# KiCad board hakea-fillets.kicad_pcb (continued)
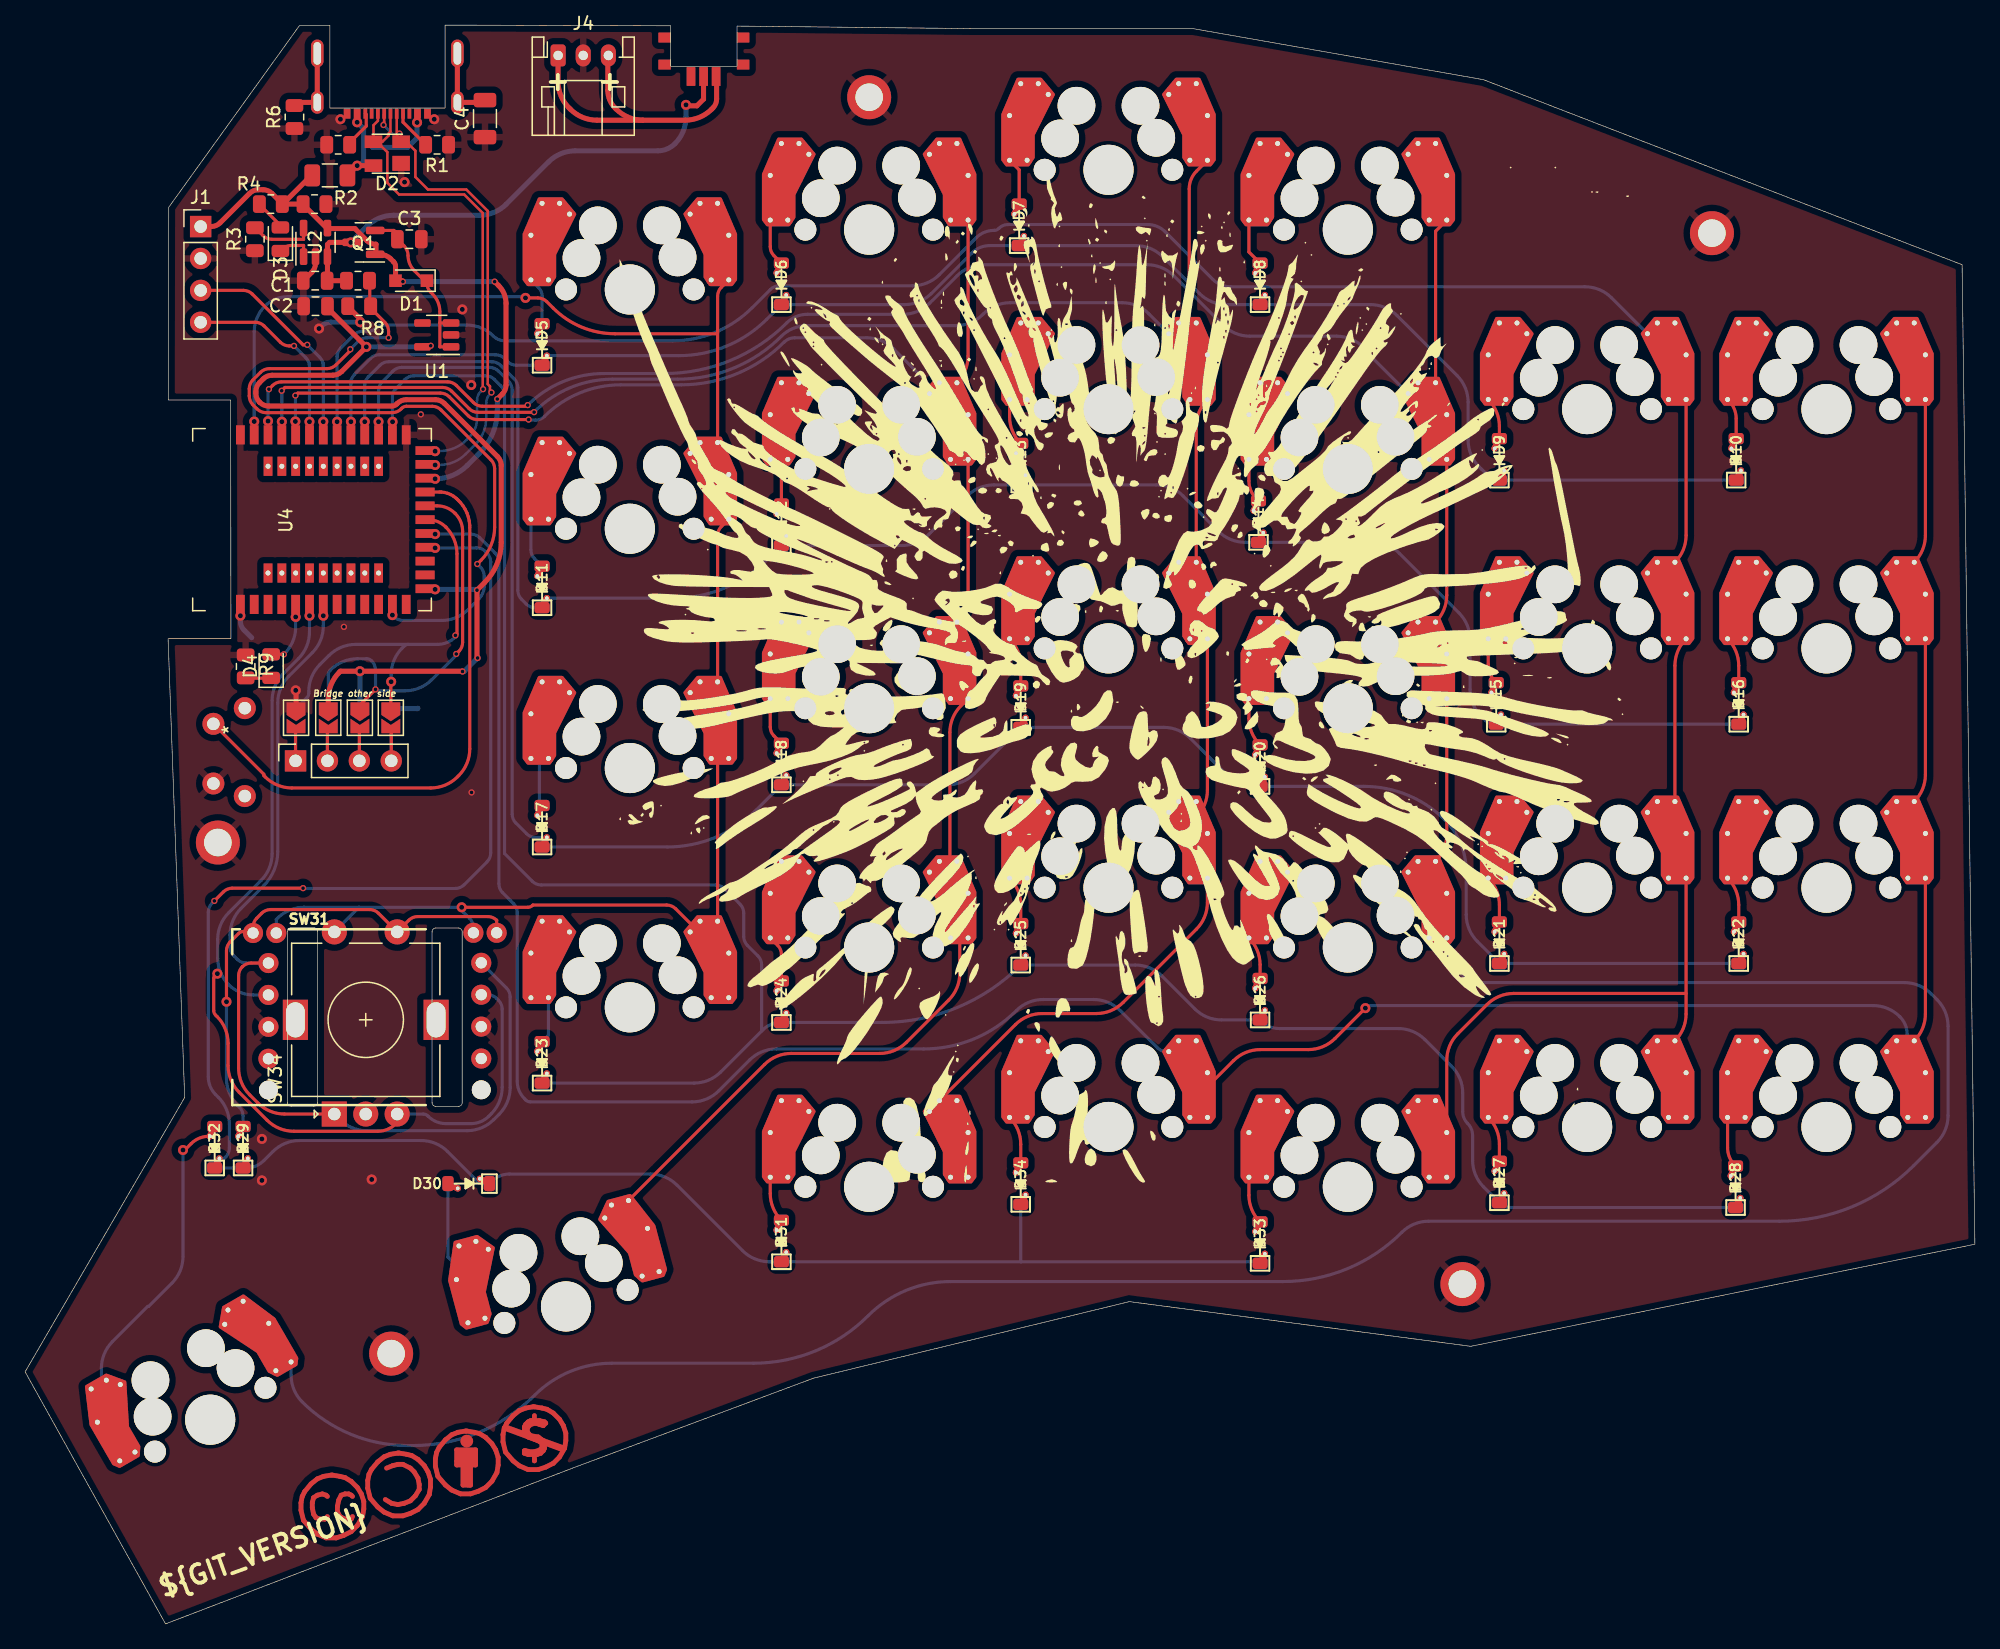
[diagram p0: board, top side]
## Nets
GND: C1.2 C2.2 C3.2 C4.1 D2.1 H2.1 H3.1 H4.1 H5.1 H6.1 J1.2 J2.A1 J4.2 JP4.1 JP5.1 R1.1 R2.2 R3.1 R5.1 R6.1 R8.1 R9.2 SW1.2 SW31.C SW32.C SW34.C U1.2 U2.2 U4.1 U4.25 U4.37
VBAT: C1.1 Q1.3 R7.2 SW33.2 U2.3
VBUS: D1.2 F1.1 J1.1 Q1.1 R2.1 R4.1 U2.4 U4.22
VDD_NRF: C2.1 JP3.1 JP6.1 U1.5 U4.14
/CC1: J2.A5 R1.2
/CC2: J2.B5 R5.2
BVOLT: R7.1 R8.2 U4.12
COL0: SW2.2 SW8.2 SW14.2 SW20.2 SW31.S2 SW32.S2 SW34.S2 U4.36
COL1: SW3.2 SW9.2 SW15.2 SW21.2 SW26.2 U4.33
COL2: SW4.2 SW10.2 SW16.2 SW22.2 SW27.2 U4.34
COL3: SW5.2 SW11.2 SW17.2 SW23.2 SW28.2 U4.35
COL4: SW6.2 SW12.2 SW18.2 SW24.2 SW29.2 U4.30
COL5: SW7.2 SW13.2 SW19.2 SW25.2 SW30.2 U4.18
D+: D2.3 J2.A6 J2.B6 U4.24
D-: D2.2 J2.A7 J2.B7 U4.23
Earth: C4.2 J2.S1 J2.S2 J2.S3 J2.S4 R6.2
LED_1: D4.2 U4.5
RAW: D2.4 F1.2 J2.A4
RESET: SW1.1 U4.21
ROT1A: SW31.A SW32.A SW34.A U4.7
ROT1B: SW31.B SW32.B SW34.B U4.6
ROW0: D5.1 D6.1 D7.1 D8.1 D9.1 D10.1 U4.29
ROW1: D11.1 D12.1 D13.1 D14.1 D15.1 D16.1 U4.28
ROW2: D17.1 D18.1 D19.1 D20.1 D21.1 D22.1 U4.27
ROW3: D23.1 D24.1 D25.1 D26.1 D27.1 D28.1 U4.26
ROW4: D29.1 D30.1 D31.1 D32.1 D33.1 D34.1 U4.17
SCL: JP2.1 JP7.1 U4.20
SDA: JP1.1 JP8.1 U4.19
SWC: J1.3 U4.31
SWD: J1.4 U4.32
Net-(C3-Pad1): C3.1 D1.1 Q1.2 U1.1 U1.3
Net-(D3-Pad1): D3.1 U2.1
Net-(D3-Pad2): D3.2 R4.2
Net-(D4-Pad1): D4.1 R9.1
Net-(D5-Pad2): D5.2 SW2.1
Net-(D6-Pad2): D6.2 SW3.1
Net-(D7-Pad2): D7.2 SW4.1
Net-(D8-Pad2): D8.2 SW5.1
Net-(D9-Pad2): D9.2 SW6.1
Net-(D10-Pad2): D10.2 SW7.1
Net-(D11-Pad2): D11.2 SW8.1
Net-(D12-Pad2): D12.2 SW9.1
Net-(D13-Pad2): D13.2 SW10.1
Net-(D14-Pad2): D14.2 SW11.1
Net-(D15-Pad2): D15.2 SW12.1
Net-(D16-Pad2): D16.2 SW13.1
Net-(D17-Pad2): D17.2 SW14.1
Net-(D18-Pad2): D18.2 SW15.1
Net-(D19-Pad2): D19.2 SW16.1
Net-(D20-Pad2): D20.2 SW17.1
Net-(D21-Pad2): D21.2 SW18.1
Net-(D22-Pad2): D22.2 SW19.1
Net-(D23-Pad2): D23.2 SW20.1
Net-(D24-Pad2): D24.2 SW21.1
Net-(D25-Pad2): D25.2 SW22.1
Net-(D26-Pad2): D26.2 SW23.1
Net-(D27-Pad2): D27.2 SW24.1
Net-(D28-Pad2): D28.2 SW25.1
Net-(D29-Pad2): D29.2 SW31.S1 SW32.S1 SW34.S1
Net-(D30-Pad2): D30.2 SW26.1
Net-(D31-Pad2): D31.2 SW27.1
Net-(D32-Pad2): D32.2 SW28.1
Net-(D33-Pad2): D33.2 SW29.1
Net-(D34-Pad2): D34.2 SW30.1
Net-(J3-Pad1): J3.1 JP1.2 JP5.2
Net-(J3-Pad2): J3.2 JP2.2 JP6.2
Net-(J3-Pad3): J3.3 JP3.2 JP7.2
Net-(J3-Pad4): J3.4 JP4.2 JP8.2
Net-(J4-Pad1): J4.1 J4.3 SW33.1
Net-(R3-Pad2): R3.2 U2.5

Pads without a net: J2 A8 B8; SW1 3; SW31 D; SW32 D; SW33 3 4; SW34 MP; U1 4; U4 2 3 4 8 9 10 11 13 15 16 38 39 40 41 42 43 44 45 46 47 48 49 50 51 52 53 54 55

## Via types
v1: diameter 0.8, hole 0.4, Top to Bottom, 47 vias
v2: diameter 0.5, hole 0.3, Top to Bottom, 31 vias

## Routing (per net, layer and track width the routed paths; a pad name or vN(x,y) marks a point on that pad's centre or on a via; arc(x,y) is an arc through that point)
GND: length 13.2
  Top w0.4: 22.15,106.93 22.82,107.61 arc(23.04,107.93) 23.11,108.31 23.11,108.88 ; 21.56,72.86 21.56,74.3 v1(21.54,74.32) ; 25.65,104.9 26.67,103.89 v1(26.67,103.63)
  Bottom w0.4: 29.11,72.86 31.23,72.86 31.27,72.9 ; v1(17.13,80.26) 17.13,79.83 arc(17.21,79.44) 17.43,79.12 18.03,78.51 ; v1(26.67,103.63) 24.32,103.63 arc(23.93,103.56) 23.61,103.34 v1(23.39,103.12)
  vias: v1(18.85,38.61) v1(18.85,35.31) v1(25.1,119.79) v1(27.58,35.38) v1(30.2,114.78) v1(32.56,119.79) v1(34.8,104.65) v1(35.51,98.63) v2(25.37,79.38) v2(31.5,96.29) v2(35.53,66.19)
VBAT: length 41.7
  Top w0.4: SW33.2 54,121.39 53.47,120.85 52.68,120.85 v1(52.6,120.93) ; v1(25.92,109.98) 24.23,109.98 24.06,109.81 24.06,106.93 25.56,106.93
  Bottom w0.4: v1(52.6,120.93) 52.6,119.96 arc(52.38,118.81) 51.72,117.84 arc(51.09,117.42) 50.35,117.27 43.79,117.27 arc(42.64,117.04) 41.67,116.39 38.29,113.02 arc(37.32,112.37) 36.17,112.14 29.33,112.14 arc(28.18,111.91) 27.2,111.26 v1(25.92,109.98)
VBUS: length 50.2
  Top w0.4: Q1.1 28.23,109.03 arc(28.7,108.94) 29.1,108.67 29.34,108.43 arc(29.45,108.27) 29.48,108.08 D1.2 ; v2(37.37,106.86) 37.69,106.54 arc(38.13,105.89) 38.28,105.12 38.28,98.62 arc(38.2,98.24) 37.98,97.91 v2(37.58,97.51) ; 20.5,113.03 19.64,113.88 arc(19.32,114.1) 18.94,114.17 18.57,114.17 arc(18.18,114.1) 17.86,113.88 15.51,111.53 arc(15.19,111.32) 14.81,111.24 J1.1 ; 20.5,113.03 22.78,115.32 ; 20.5,113.03 22.1,113.03 24.05,111.08 ; 30,106.93 v2(30.07,106.86) ; 24.06,111.08 26.25,111.08 27.2,110.13 arc(27.53,109.91) 27.91,109.83 27.92,109.83 27.92,109.03
  Bottom w0.4: v2(37.37,106.86) v2(30.07,106.86) ; v2(37.58,97.51) 37.58,96.61 arc(37.22,94.77) 36.17,93.2 35.18,92.22 arc(34.01,91.43) v1(32.63,91.16)
VDD_NRF: length 80.1
  Top w0.4: 24.13,72.86 24.13,73.64 arc(24.36,74.78) 25.01,75.76 25.1,75.84 v1(26.64,75.84) 34.79,75.84 v2(34.82,75.82) ; 35.97,76.9 v2(35.97,82.3) 36.57,82.9 arc(37.55,84.37) 37.9,86.1 37.9,92.22 arc(37.82,92.6) 37.6,92.93 33.36,97.17 arc(33.04,97.38) 32.66,97.46 30.33,97.46 arc(29.95,97.38) 29.63,97.17 29.56,97.1 arc(29.4,96.99) 29.21,96.95 19.39,96.95 arc(19.01,97.03) 18.68,97.24 18.66,97.27 arc(18.44,97.59) 18.36,97.98 18.36,98.11 arc(18.44,98.5) 18.66,98.82 18.95,99.11 arc(19.28,99.33) 19.66,99.41 24.49,99.41 arc(24.87,99.48) 25.19,99.7 v1(27.16,101.67) 24.05,104.77 ; v2(32.28,101.75) 31.75,101.75
  Bottom w0.4: v2(36.02,76.9) 34.94,75.82 v2(34.82,75.82) ; v1(27.16,101.67) 32.02,101.67 32.11,101.75 v2(32.28,101.75) ; v1(32.63,82.36) 35.9,82.36 v2(35.97,82.3) ; 26.64,72.86 26.64,75.74 26.67,75.77 26.67,75.82 v1(26.64,75.84)
/CC1: length 3.2
  Top w0.25: R1.2 30.08,119.55 J2.A5
/CC2: length 2.9
  Top w0.25: J2.B5 27.15,120.15 27.15,119.24 25.83,117.92
BVOLT: length 59.5
  Top w0.25: v2(25.88,101.47) 25.88,101.37 24.74,100.22 arc(24.41,100.01) 24.03,99.93 19.44,99.93 arc(19.06,99.86) 18.73,99.64 18.13,99.04 arc(17.92,98.71) 17.84,98.33 17.84,97.76 arc(17.92,97.38) 18.13,97.05 18.46,96.72 arc(18.79,96.5) 19.17,96.43 29.22,96.43 arc(29.6,96.5) 29.92,96.72 29.99,96.79 arc(30.15,96.9) 30.34,96.93 32.4,96.93 arc(32.79,96.86) 33.11,96.64 37.08,92.67 arc(37.3,92.35) 37.37,91.97 37.37,87.31 arc(37.09,85.88) 36.27,84.66 v2(35.99,84.38) ; 27.43,106.93 27.43,105 ; v2(28.93,102.39) 28.93,102.9 arc(28.85,103.29) 28.64,103.61 27.53,104.72
  Bottom w0.25: v2(25.88,101.47) 26.51,102.1 arc(26.83,102.31) 27.21,102.39 28.93,102.39 v2(28.93,102.39) ; v1(29.23,80.31) 29.37,80.18 arc(29.69,79.96) 30.08,79.88 33.15,79.88 arc(34.3,80.11) 35.27,80.76 36.13,81.61 arc(36.43,82.08) 36.54,82.62 36.54,83.42 arc(36.46,83.8) 36.25,84.12 v2(35.99,84.38)
COL0: length 132.8
  Top w0.25: SW14.2 55.12,86.64 arc(55.19,87.03) 55.41,87.35 SW8.2 ; 55.12,102.79 SW8.2 ; 55.12,102.79 55.12,105.69 arc(55.19,106.08) 55.41,106.4 SW2.2 ; 55.12,102.79 55.03,102.71 46.95,102.71 arc(44.3,103.24) 42.04,104.74 41.52,105.27 arc(41.19,105.49) 40.81,105.56 v1(39.83,105.56) ; v1(34.75,57.05) 40.03,57.05 arc(40.22,57.09) 40.38,57.19 40.41,57.23 51.07,57.23 arc(51.45,57.15) 51.78,56.93 SW20.2 ; SW20.2 55.12,72.64 ; U4.36 v1(18.23,95.72)
  Bottom w0.25: 26.57,57.05 22.2,57.05 arc(21.05,56.82) 20.08,56.17 19.99,56.08 SW31.S2 ; 26.57,57.05 v1(34.75,57.05) 34.75,57 arc(34.79,56.81) 34.89,56.65 35.39,56.15 arc(35.61,55.83) 35.68,55.45 ; 26.57,57.05 SW34.S2 ; v1(39.83,105.56) 39.73,105.66 20.91,105.66 arc(19.92,105.46) 19.08,104.9 arc(18.45,103.97) 18.23,102.87 v1(18.23,95.72)
COL1: length 138.7
  Top w0.25: SW3.2 75.06,100.94 arc(74.83,99.79) 74.18,98.82 ; v2(40.08,95.88) 35.99,95.88 arc(35.6,95.96) 35.28,96.17 33.76,97.69 arc(33.44,97.91) 33.05,97.98 21.71,97.98 v2(21.51,97.79) ; SW15.2 74.49,73.09 arc(73.84,72.12) 73.61,70.97 SW21.2 ; U4.33 21.53,95.7 v1(21.51,95.73) ; SW26.2 58.86,44.54 arc(59.83,45.19) 60.98,45.42 68.02,45.42 arc(69.17,45.64) 70.14,46.29 73.52,49.67 arc(74.17,50.64) 74.39,51.79 SW21.2 ; SW9.2 75.06,81.89 arc(74.83,80.74) 74.18,79.77
  Bottom w0.25: v2(40.08,95.88) 40.12,95.83 40.63,95.83 arc(41.01,95.91) 41.34,96.13 arc(44.13,97.99) 47.41,98.64 52.21,98.64 arc(56.65,99.53) 60.41,102.04 arc(60.8,102.3) 61.25,102.39 67.01,102.39 arc(68.16,102.16) 69.13,101.51 71.69,98.95 arc(71.91,98.62) 71.98,98.24 ; v2(21.51,97.79) 21.51,95.48
COL2: length 151.2
  Top w0.25: SW4.2 93.24,115.66 arc(92.81,115.01) 92.66,114.24 SW10.2 ; SW22.2 94.11,57.43 arc(93.88,56.28) 93.23,55.31 87.39,49.47 arc(86.42,48.82) 85.27,48.59 80.95,48.59 arc(79.8,48.36) 78.83,47.71 SW27.2 ; v2(20.42,98.17) 20.68,98.43 33.24,98.43 arc(33.62,98.36) 33.95,98.14 35.34,96.75 arc(35.67,96.53) 36.05,96.45 40.5,96.45 v2(40.51,96.47) ; U4.34 v1(20.43,95.71) ; SW16.2 94.11,66.37 arc(93.88,65.22) 93.23,64.25 ; SW16.2 93.22,95.34 arc(93.45,96.49) 94.1,97.46
  Bottom w0.25: v2(20.42,98.17) 20.43,98.16 v1(20.43,95.71) ; v2(40.51,96.47) 40.58,96.53 arc(43.41,98.43) 46.76,99.09 51.94,99.09 arc(56.41,99.98) 60.2,102.52 arc(61.13,103.14) 62.22,103.35 74.09,103.35 arc(75.24,103.58) 76.22,104.23 76.29,104.3 arc(77.26,104.95) 78.41,105.18 87.32,105.18 arc(88.47,104.95) 89.44,104.3 91.03,102.71
COL3: length 337
  Top w0.25: SW11.2 112.27,110.87 SW5.2 ; v2(19.41,98.3) 19.7,98.59 arc(20.02,98.81) 20.4,98.88 33.62,98.88 arc(34,98.81) 34.33,98.59 35.69,97.23 arc(36.01,97.01) 36.4,96.94 39.91,96.94 v2(40.01,97.03) ; U4.35 v1(19.33,95.76) ; SW11.2 113.16,81.89 arc(112.93,80.74) 112.28,79.77 ; SW17.2 113.16,62.84 arc(112.93,61.69) 112.28,60.72
  Bottom w0.25: SW23.2 113.16,54.07 arc(113.39,52.93) 114.04,51.95 114.06,51.93 arc(115.03,51.28) 116.18,51.05 149.58,51.05 arc(150.73,50.83) 151.7,50.18 152.18,49.7 arc(152.83,48.72) 153.06,47.58 153.06,40.46 arc(152.83,39.31) 152.18,38.34 150.33,36.49 arc(145.42,33.21) 139.63,32.05 111.71,32.05 arc(110.56,31.83) 109.59,31.18 arc(105.24,28.27) 100.12,27.25 73.67,27.25 arc(70.12,26.55) 67.11,24.54 arc(62.91,21.74) 57.97,20.75 46.69,20.75 arc(43.38,20.09) 40.57,18.21 arc(36.12,15.24) 30.87,14.2 30.45,14.2 arc(25.9,15.1) 22.05,17.68 arc(21.4,18.65) 21.17,19.8 SW28.2 ; v2(19.41,98.3) 19.33,98.23 v1(19.33,95.76) ; SW11.2 107.26,100.77 107.26,100.89 106.52,101.64 arc(105.54,102.29) 104.4,102.51 97.48,102.51 arc(96.33,102.74) 95.36,103.39 91.43,107.33 arc(90.46,107.98) 89.31,108.2 76.3,108.2 arc(75.15,107.98) 74.18,107.33 71.99,105.13 arc(71.01,104.48) 69.87,104.26 62.26,104.26 arc(61.38,104.08) 60.63,103.58 arc(56.16,100.59) 50.88,99.54 46.08,99.54 arc(42.79,98.89) v2(40.01,97.03)
COL4: length 185.7
  Top w0.25: v1(24.83,95.71) 24.83,95.7 U4.30 ; SW29.2 113.16,44.86 arc(113.39,46.01) 114.04,46.98 116.37,49.31 arc(117.34,49.96) 118.49,50.19 132.21,50.19 ; 132.21,50.19 132.21,48.55 arc(131.98,47.4) 131.33,46.43 ; 132.21,50.19 SW18.2 ; SW18.2 131.32,76.29 arc(131.55,77.44) 132.2,78.41 ; SW6.2 132.21,86.65 arc(131.98,85.5) 131.33,84.53
  Bottom w0.25: 129.13,102.71 126.27,105.57 arc(125.3,106.22) 124.15,106.45 95.95,106.45 arc(95.19,106.6) 94.54,107.04 90.76,110.82 arc(90.11,111.25) 89.34,111.4 78.23,111.4 arc(77.85,111.33) 77.52,111.11 77.5,111.08 arc(77.33,110.98) 77.14,110.94 77.12,110.94 arc(76.36,110.79) 75.71,110.35 72.76,107.41 arc(71.79,106.76) 70.64,106.53 60.03,106.53 arc(59.65,106.45) 59.32,106.23 57.85,104.77 arc(54.95,102.83) 51.53,102.15 38.18,102.15 arc(37.69,102.25) 37.27,102.52 arc(36.3,103.18) 35.15,103.4 28.48,103.4 arc(28.22,103.35) 27.99,103.2 arc(27.67,102.98) 27.28,102.91 26.87,102.91 arc(26.49,102.83) 26.16,102.61 25.13,101.58 arc(24.91,101.26) 24.83,100.87 ; v1(24.83,95.71) 24.83,101.12
COL5: length 207.2
  Top w0.25: SW30.2 96.19,44.84 arc(97.16,45.49) 98.31,45.72 102.14,45.72 arc(103.28,45.95) 104.26,46.6 v1(106.68,49.02) ; SW7.2 151.26,86.65 arc(151.03,85.5) 150.38,84.53 ; SW19.2 151.26,48.55 arc(151.03,47.4) 150.38,46.43 ; SW13.2 151.26,67.6 arc(151.03,66.45) 150.38,65.48
  Bottom w0.25: v1(106.68,49.02) 106.58,49.12 106.58,49.23 147.09,49.23 arc(148.24,49) 149.21,48.35 149.22,48.34 arc(149.66,47.69) 149.81,46.93 SW25.2 ; v1(32.63,86.76) 35.48,86.76 arc(35.87,86.68) 36.19,86.47 37.42,85.24 arc(37.63,84.92) 37.71,84.53 37.71,58.92 arc(37.79,58.54) 38,58.21 38.87,57.34 arc(39.09,57.02) 39.17,56.63 39.17,43.22 arc(39.32,42.46) 39.75,41.81 39.86,41.7 arc(40.02,41.59) 40.21,41.55 53.09,41.55 arc(54.24,41.78) 55.21,42.43 57.67,44.89 arc(58.64,45.54) 59.79,45.77 71.52,45.77 arc(75.52,46.57) 78.9,48.83 arc(79.88,49.48) 81.02,49.71 85.04,49.71 arc(86.19,49.48) 87.16,48.83 90.14,45.85 arc(90.46,45.64) 90.85,45.56
D+: length 39
  Top w0.2: J2.B6 28.08,119.66 27.73,119.31 D2.3 28.43,117.99 28.93,118.49 28.93,118.64 29.08,118.79 J2.A6 ; 28.01,117.99 28.83,117.17 28.83,114.73 29.77,113.79 34.95,113.79 36.42,112.32 36.42,98.32 v2(36.45,98.3)
  Bottom w0.2: v1(32.63,93.36) 32.65,93.37 33,93.37 arc(34.14,93.6) 35.12,94.25 35.38,94.51 arc(35.81,95.16) 35.97,95.93 35.97,97.4 arc(36.04,97.78) 36.26,98.11 v2(36.45,98.3)
D-: length 38
  Top w0.2: v2(37.12,98.03) 37,98.15 37,98.53 36.82,98.7 36.82,112.48 35.12,114.19 32.06,114.19 31.06,115.19 31.06,117.27 30.34,117.99 ; v2(28.52,119.33) 28.52,119.51 28.58,119.56 J2.A7 ; v2(29.79,118.64) 29.79,118.13 ; J2.B7 29.58,118.34
  Bottom w0.2: v2(37.12,98.03) 37,97.91 arc(36.78,97.59) 36.7,97.2 36.7,96.01 arc(36.47,94.86) 35.82,93.89 35.07,93.14 arc(34.1,92.49) 32.95,92.26 v1(32.63,92.26) ; v2(28.52,119.33) 29.41,118.44 29.85,118.44 29.85,118.59 v2(29.79,118.64)
Earth: length 11.5
  Top w0.4: 36.49,121.13 J2.S4 J2.S2 ; 21.67,121.13 J2.S3 J2.S1
LED_1: length 5.2
  Top w0.25: v2(20.6,77.19) 19.59,77.19 ; U4.5 v1(21.53,80.16)
  Bottom w0.25: v2(20.6,77.19) 20.66,77.25 arc(21.27,78.14) 21.53,79.2 21.53,80.16 v1(21.53,80.16)
RAW: length 13.9
  Top w0.4: D2.4 v1(26.43,116.09) F1.2 ; v1(31.2,119.53) 31.23,119.56 J2.A4 ; J2.A4 v1(26.43,119.54)
  Bottom w0.4: v1(31.2,119.53) 31.2,118.29 30.45,117.55 27.66,117.55 26.95,118.26 ; v1(26.43,116.09) 26.47,116.05 26.54,116.05 26.95,116.46 26.95,119.02 v1(26.43,119.54)
RESET: length 47.1
  Top w0.25: SW1.1 19,67.64 19,67.54 19.11,67.43 arc(20.08,66.78) 21.23,66.55 32.29,66.55 arc(33.43,66.78) 34.41,67.43 34.51,67.53 arc(35.16,68.51) 35.39,69.65 35.39,87.29 35.39,87.46 35.35,87.8 35.28,88.12 35.17,88.44 35.02,88.74 34.84,89.03 34.63,89.29 34.51,89.41 34.4,89.52 34.31,89.61 34.1,89.77 33.87,89.91 33.63,90.01 33.38,90.07 33.12,90.11 32.99,90.11 U4.21
ROT1A: length 80
  Top w0.25: SW34.A 20.65,40.59 arc(19.5,40.82) 18.53,41.47 17.87,42.12 arc(17.22,43.1) 16.99,44.24 16.99,51.6 arc(17.07,51.99) 17.29,52.31 17.29,52.32 arc(17.62,52.53) 18,52.61 SW31.A ; U4.7 v1(23.73,80.26)
  Bottom w0.25: v1(23.73,80.26) 23.73,79.43 arc(23.51,78.29) 22.86,77.31 20.99,75.44 arc(20.34,74.47) 20.11,73.32 20.11,61.48 arc(19.82,60.01) 18.98,58.75 17.19,56.97 arc(16.54,55.99) 16.31,54.83 16.31,53.91 arc(16.38,53.52) 16.6,53.2 16.9,52.9 arc(17.22,52.69) 17.6,52.61 SW31.A ; SW32.A 38.32,50.62 arc(38.53,50.3) 38.61,49.91 38.61,42.7 arc(38.38,41.55) 37.73,40.57 37.3,40.14 arc(36.33,39.49) 35.18,39.26 27.18,39.26 arc(26.03,39.49) 25.06,40.14
ROT1B: length 78.7
  Top w0.25: U4.6 v1(22.63,80.26) ; v1(15.3,51.77) 15.25,51.82 15.24,51.82 15.16,51.73 arc(15.05,51.57) 15.01,51.38 15.01,48.82 arc(15.05,48.63) 15.16,48.47 15.28,48.35 arc(15.93,47.38) 16.15,46.23 16.15,44.45 arc(16.38,43.3) 17.03,42.33 19.26,40.1 arc(20.24,39.45) 21.38,39.22 28.08,39.22 arc(28.84,39.37) 29.49,39.8
  Bottom w0.25: v1(22.63,80.26) 22.63,78.97 arc(22.41,77.82) 21.76,76.85 20.54,75.63 arc(19.89,74.66) 19.66,73.51 19.66,61.31 arc(19.43,60.16) 18.78,59.19 16.2,56.62 arc(15.55,55.64) 15.33,54.49 15.33,53.01 arc(15.55,51.86) 16.2,50.89 arc(17.11,50.28) 18.17,50.07 SW31.B ; SW34.B 31.7,40.59 arc(31.89,40.55) 32.05,40.44 32.08,40.41 arc(32.73,39.98) 33.49,39.83 35.49,39.83 arc(36.26,39.98) 36.91,40.41 37.09,40.6 arc(37.74,41.57) 37.97,42.72 37.97,48.94 arc(37.9,49.32) 37.68,49.65 37.53,49.8 arc(37.2,50.01) 36.82,50.09
ROW0: length 128.8
  Top w0.25: v1(25.93,95.71) 25.93,95.7 U4.29
  Bottom w0.25: D5.1 39.11,100.2 arc(38.73,100.28) 38.4,100.5 38.15,100.74 arc(37.83,100.96) 37.45,101.04 28.2,101.04 arc(27.82,100.96) 27.49,100.74 26.23,99.48 arc(26.01,99.16) 25.93,98.77 ; D5.1 52.03,100.97 arc(55.82,101.72) 59.04,103.87 D6.1 70.01,105.03 arc(71.15,105.26) 72.13,105.91 75.36,109.14 arc(76.01,109.58) 76.77,109.73 D7.1 ; D10.1 118.03,91.06 arc(116.88,91.29) 115.91,91.94 115.74,92.11 arc(115.09,93.08) 114.86,94.23 114.86,97.26 arc(114.63,98.41) 113.98,99.38 109.21,104.15 arc(108.24,104.8) 107.09,105.03 D8.1 95.6,105.03 arc(94.45,105.26) 93.48,105.91 90.54,108.85 arc(89.57,109.5) 88.42,109.73 D7.1 ; v1(25.93,95.71) 25.93,99.02
ROW1: length 145.8
  Top w0.25: v1(27.03,95.71) 27.03,95.7 U4.28
  Bottom w0.25: D11.1 40.6,80.9 arc(40.21,80.98) 39.89,81.19 39.51,81.57 arc(39.29,81.9) 39.22,82.28 39.22,98.42 arc(39.14,98.8) 38.92,99.12 37.86,100.19 arc(37.54,100.41) 37.15,100.48 28.94,100.48 arc(28.56,100.41) 28.23,100.19 27.33,99.29 arc(27.11,98.96) 27.03,98.58 ; D16.1 117.1,71.63 ; D11.1 51.63,81.66 arc(55.67,82.46) 59.1,84.75 D12.1 69.8,85.85 arc(70.95,86.08) 71.92,86.73 74.99,89.8 arc(75.96,90.45) 77.11,90.68 D13.1 90.04,90.68 arc(91.19,90.45) 92.17,89.8 94.98,86.98 arc(95.95,86.33) 97.1,86.11 D14.1 107.27,86.11 arc(108.41,85.88) 109.39,85.23 114.13,80.48 arc(114.78,79.51) 115.01,78.36 115.01,74.39 arc(115.24,73.25) 115.89,72.27 116.24,71.92 arc(116.57,71.7) 116.95,71.63 ; v1(27.03,95.71) 27.03,98.83
ROW2: length 163.2
  Top w0.25: v1(28.13,95.71) 28.13,95.7 U4.27
  Bottom w0.25: 28.13,98.43 v1(28.13,95.71) ; D17.1 51.1,61.85 arc(54.93,62.61) 58.18,64.78 D18.1 73.43,66.8 arc(74.58,67.03) 75.55,67.68 D19.1 90.63,71.37 arc(91.78,71.15) 92.75,70.5 95.69,67.55 arc(96.66,66.9) 97.81,66.68 D20.1 106.55,66.68 arc(110.05,65.98) 113.01,64 arc(114.27,62.12) 114.71,59.91 114.71,56.46 arc(114.93,55.31) 115.59,54.34 D21.1 D22.1 ; D17.1 40.62,62.61 arc(40.24,62.69) 39.92,62.9 39.06,63.76 arc(38.84,64.08) 38.77,64.47 38.77,98.23 arc(38.69,98.61) 38.48,98.94 37.67,99.74 arc(37.35,99.96) 36.97,100.03 29.99,100.03 arc(29.6,99.96) 29.28,99.74 28.43,98.89 arc(28.21,98.56) 28.13,98.18
ROW3: length 190
  Top w0.25: U4.26 29.23,95.69 v1(29.25,95.7)
  Bottom w0.25: D26.1 95.22,48.08 arc(94.07,48.31) 93.1,48.96 90.49,51.57 arc(89.52,52.22) 88.37,52.45 D25.1 arc(74.18,49.07) 68.21,47.88 D24.1 ; D23.1 53.24,43.05 arc(54.39,43.28) 55.36,43.93 58.72,47.29 arc(59.37,47.73) 60.14,47.88 ; D28.1 118.14,33.15 arc(117.76,33.22) 117.44,33.44 ; v1(29.25,95.7) 29.24,95.71 29.24,97.75 arc(29.33,98.08) 29.53,98.36 30.24,99.07 arc(30.56,99.29) 30.95,99.36 36.64,99.36 arc(37.03,99.29) 37.35,99.07 37.87,98.56 arc(38.08,98.23) 38.16,97.85 38.16,61.33 40.37,59.12 arc(40.7,58.9) 41.08,58.83 54.96,58.83 arc(55.34,58.75) 55.66,58.53 56.91,57.29 arc(57.12,56.97) 57.2,56.58 57.2,54.72 arc(57.28,54.34) 57.49,54.01 58.33,53.18 arc(58.55,52.85) 58.62,52.47 58.62,47.19 ; D27.1 116.09,34.78 arc(115.44,35.76) 115.21,36.9 115.21,38.88 arc(115.11,39.4) 114.82,39.84 arc(114.53,40.28) 114.43,40.78 114.43,42.27 arc(114.2,43.42) 113.55,44.39 111.42,46.52 arc(110.45,47.17) 109.3,47.4 99.81,47.4 arc(99.05,47.55) 98.4,47.98
ROW4: length 165.6
  Top w0.25: v2(15.06,57.56) 15.79,58.28 arc(16.11,58.5) 16.49,58.57 v2(22.12,58.57)
  Bottom w0.25: 79.27,28.83 98.17,28.83 ; 79.27,28.83 D31.1 59.23,28.83 arc(58.08,29.06) 57.11,29.71 51.88,34.94 arc(50.91,35.59) 49.76,35.81 38.55,35.81 arc(37.78,35.66) 37.13,35.23 ; 79.27,28.83 79.25,28.85 D34.1 ; v2(15.06,57.56) 14.87,57.37 arc(14.65,57.04) 14.58,56.66 14.58,43.55 arc(14.73,42.79) 15.16,42.14 15.38,41.93 arc(16.03,40.95) 16.26,39.8 16.26,37.88 arc(16.18,37.5) 15.96,37.17 15.85,37.06 D32.1 ; D30.1 36.39,35.05 arc(36.2,35.09) 36.03,35.2 33.63,37.6 arc(32.66,38.25) 31.51,38.48 21.84,38.48 arc(20.69,38.25) 19.72,37.6 19,36.88 arc(18.35,36.45) 17.59,36.3 ; D32.1 D29.1 ; v2(22.12,58.57) 22.15,58.55 34.23,58.55 arc(34.61,58.62) 34.94,58.84 36.77,60.67 arc(36.98,60.99) 37.06,61.37 37.06,84.55 arc(36.98,84.93) 36.77,85.26 36.65,85.37 arc(36.33,85.58) 35.95,85.66 v1(32.63,85.66)
SCL: length 32.7
  Top w0.25: v2(34.32,77.22) 34.53,77.43 arc(34.75,77.76) 34.82,78.14 34.82,86.98 arc(34.67,87.74) 34.24,88.39 34.21,88.42 arc(33.56,88.86) 32.79,89.01 U4.20 ; v2(27.89,74.4) 26.79,73.3 arc(26.68,73.14) 26.64,72.94
  Bottom w0.25: 24.13,72.86 24.13,75.56 arc(24.17,75.75) 24.28,75.91 24.32,75.96 arc(25.29,76.61) 26.44,76.84 27.2,76.84 arc(27.39,76.8) 27.55,76.69 27.6,76.65 arc(27.81,76.32) 27.89,75.94 v2(27.89,74.4) 28,74.28 30.24,74.28 arc(31.39,74.51) 32.36,75.16 34.32,77.11 v2(34.32,77.22)
SDA: length 32
  Top w0.25: 29.11,72.86 29.11,74.98 v1(29.13,75.01) ; v2(34.25,78.7) 34.37,78.82 34.37,85.19 arc(34.15,86.33) 33.5,87.31 33.48,87.32 arc(32.83,87.76) 32.06,87.91
  Bottom w0.25: v2(34.25,78.7) 34.31,78.7 34.34,78.66 34.24,78.56 arc(33.59,78.13) 32.83,77.98 26.31,77.98 arc(25.16,77.75) 24.19,77.1 23.46,76.37 arc(22.81,75.39) 22.58,74.25 22.58,74.1 arc(22.54,73.9) 22.43,73.74 21.56,72.87 ; v1(29.13,75.01) 29.13,75.57 arc(29.36,76.72) 30.01,77.69 30.16,77.83 arc(30.32,77.94) 30.51,77.98
SWC: length 18.1
  Top w0.25: U4.31 23.73,95.7 v1(23.73,95.71) ; J1.3 17.38,106.16 arc(17.76,106.09) 18.08,105.87 22.12,101.83 v2(22.45,101.83)
  Bottom w0.25: v2(22.45,101.83) 23.44,100.84 arc(23.66,100.52) 23.73,100.13 ; 23.73,100.38 v1(23.73,95.71)
SWD: length 15.9
  Top w0.25: v2(21.4,101.74) 21.03,101.74 arc(20.64,101.82) 20.32,102.03 19.02,103.33 arc(18.7,103.55) 18.32,103.62 J1.4 ; U4.32 22.63,95.7 v1(22.63,95.71)
  Bottom w0.25: 22.63,100.34 v1(22.63,95.71) ; v2(21.4,101.74) 22.34,100.8 arc(22.56,100.47) 22.63,100.09
Net-(C3-Pad1): length 13.2
  Top w0.25: 27.92,110.93 29.35,110.93 29.54,110.74 ; C3.1 30.16,109.71 arc(30.4,109.35) 30.48,108.93 arc(30.61,108.28) 30.98,107.73 31.78,106.93 D1.1 31.98,106.73 arc(32.06,106.35) 32.28,106.03 32.42,105.88 arc(32.86,105.23) 33.01,104.46 33.01,103.57 ; 33.01,103.57 33.01,101.67 33.87,101.67 ; 33.01,103.57 33.87,103.57
Net-(D3-Pad1): length 2.6
  Top w0.25: 22.16,108.88 22.16,109.74 21.17,109.74 arc(20.79,109.66) 20.47,109.44
Net-(D3-Pad2): length 2.4
  Top w0.25: 18.62,113.03 20.32,111.33
Net-(D4-Pad1): length 2
  Top w0.25: 17.55,75.29 19.56,75.29
Net-(D5-Pad2): length 3.8
  Bottom w0.25: SW2.1 40.86,106.4 arc(41.07,106.08) 41.15,105.69 D5.2
Net-(D6-Pad2): length 3.8
  Top w0.25: SW3.1 59.31,109.63 arc(59.39,109.25) 59.6,108.93 D6.2
Net-(D7-Pad2): length 3.8
  Top w0.25: D7.2 79.12,115.76 SW4.1
Net-(D8-Pad2): length 3.8
  Top w0.25: D8.2 97.41,109.22 SW5.1
Net-(D9-Pad2): length 3.3
  Top w0.25: D9.2 117.35,95.34 arc(117.12,96.49) 116.47,97.46
Net-(D10-Pad2): length 3.2
  Top w0.25: D10.2 136.19,95.96 arc(136.04,96.72) 135.61,97.37
Net-(D11-Pad2): length 4.1
  Bottom w0.25: SW8.1 40.26,85.5 arc(40.34,85.12) 40.55,84.8 D11.2
Net-(D12-Pad2): length 3.9
  Top w0.25: SW9.1 59.91,92.11 arc(60.12,91.79) 60.2,91.41 D12.2
Net-(D13-Pad2): length 3.7
  Top w0.25: SW10.1 78.36,96.11 arc(78.59,94.96) 79.24,93.99
Net-(D14-Pad2): length 3.3
  Top w0.25: SW11.1 97.41,91 arc(97.56,90.23) 97.99,89.58
Net-(D15-Pad2): length 3.6
  Top w0.25: SW12.1 116.46,76.39 arc(116.61,75.63) 117.04,74.98
Net-(D16-Pad2): length 3.7
  Top w0.25: D16.2 136.4,76.29 arc(136.17,77.44) 135.52,78.41
Net-(D17-Pad2): length 5.3
  Bottom w0.25: SW14.1 40.93,65.37
Net-(D18-Pad2): length 3.9
  Top w0.25: D18.2 59.6,70.7 arc(59.39,71.02) 59.31,71.41 SW15.1
Net-(D19-Pad2): length 4
  Top w0.25: D19.2 79.25,76.29 arc(79.02,77.44) 78.37,78.41
Net-(D20-Pad2): length 3.9
  Top w0.25: SW17.1 97.41,72.11 arc(97.64,70.96) 98.29,69.99
Net-(D21-Pad2): length 3.7
  Top w0.25: D21.2 117.35,57.24 arc(117.12,58.39) 116.47,59.36
Net-(D22-Pad2): length 3.7
  Top w0.25: D22.2 136.4,57.24 arc(136.17,58.39) 135.52,59.36
Net-(D23-Pad2): length 3.7
  Bottom w0.25: SW20.1 41.66,46.86 D23.2
Net-(D24-Pad2): length 3.8
  Top w0.25: D24.2 60.2,53.31 arc(60.12,53.69) 59.91,54.01 SW21.1
Net-(D25-Pad2): length 3.8
  Top w0.25: D25.2 79.25,57.24 arc(79.02,58.39) 78.37,59.36
Net-(D26-Pad2): length 3.5
  Top w0.25: D26.2 98.3,52.48 arc(98.07,53.63) 97.42,54.6
Net-(D27-Pad2): length 3.7
  Top w0.25: D27.2 117.35,38.19 arc(117.12,39.34) 116.47,40.31
Net-(D28-Pad2): length 4
  Top w0.25: SW25.1 135.51,37.91 arc(135.66,37.15) 136.09,36.5
Net-(D29-Pad2): length 39.5
  Top w0.25: v1(16.03,49.53) 16.03,53.59 arc(16.1,53.97) 16.32,54.29 17,54.97 arc(17.16,55.08) 17.35,55.12 17.39,55.12 17.82,54.68 ; SW32.S1 37.53,56.02 37.53,56.02 arc(37.2,56.24) 36.82,56.31 31.25,56.31 arc(30.87,56.24) 30.54,56.02 SW34.S1 28.12,56.58 arc(27.8,56.79) 27.42,56.87 19.54,56.87 arc(19.16,56.79) 18.83,56.58 18.43,56.18 arc(18.22,55.85) 18.14,55.47
  Bottom w0.25: v1(16.03,49.53) 16.03,43.41 arc(16.26,42.26) 16.91,41.29 17.06,41.14 arc(17.27,40.81) 17.35,40.43 D29.2
Net-(D30-Pad2): length 7.8
  Bottom w0.25: 35.03,27.83 33.66,29.21 D30.2
Net-(D31-Pad2): length 3.7
  Top w0.25: SW27.1 59.31,34.26 arc(59.54,33.11) 60.19,32.14
Net-(D32-Pad2): length 25.7
  Top w0.25: v1(12.57,37.73) 12.57,37.6 12.57,37.59 13.21,38.23 arc(13.86,38.67) 14.63,38.82
  Bottom w0.25: v1(12.57,37.73) 12.57,29.25 arc(12.34,28.1) 11.69,27.13 9.83,25.27 9.75,25.27 6.95,22.47 arc(6.3,21.5) 6.07,20.35 6.07,17.14
Net-(D33-Pad2): length 3.8
  Top w0.25: SW29.1 97.41,34.14 arc(97.64,32.99) 98.29,32.01
Net-(D34-Pad2): length 3.8
  Top w0.25: D34.2 79.25,38.19 arc(79.02,39.34) 78.37,40.31
Net-(J3-Pad1): length 5.3
  Top w0.25: 21.52,71.37 J3.1
  Bottom w0.25: 21.52,71.37 J3.1
Net-(J3-Pad2): length 5.3
  Top w0.25: 24.06,71.34 J3.2
  Bottom w0.25: 24.06,71.34 J3.2
Net-(J3-Pad3): length 5.3
  Top w0.25: 26.6,71.37 J3.3
  Bottom w0.25: 26.6,71.37 J3.3
Net-(J3-Pad4): length 5.3
  Top w0.25: 29.14,71.38 J3.4
  Bottom w0.25: 29.14,71.38 J3.4
Net-(J4-Pad1): length 25.7
  Top w0.4: 46.38,124.76 46.38,122.09 arc(46.53,121.32) 46.97,120.67 47.05,120.59 arc(48.02,119.94) 49.17,119.71 ; 49.17,119.71 45.51,119.71 arc(44.37,119.94) 43.39,120.59 43.3,120.69 arc(42.65,121.66) 42.42,122.81 42.42,124.86 ; 49.17,119.71 52.53,119.71 arc(53.68,119.94) 54.65,120.59 54.75,120.69 arc(54.97,121.01) 55.04,121.39 55.04,123.15
Net-(R3-Pad2): length 5.1
  Top w0.25: 22.16,111.08 22.16,110.23 19.65,110.23 arc(19.27,110.3) 18.94,110.52 18.29,111.17

## Copper pours and planes (outline as drawn; the poured copper is in the pictures)
GND on Top, Bottom: 155.19,29.97 12.52,-8.08 5,1.17 -11.23,17.22 11.68,123.19 12.95,131.83 154.69,133.35

## Text on the board
B.Mask: Hakea
B.Silkscreen: Bridge other side | +  + | ${GIT_VERSION}
F.Mask: Hakea
F.Silkscreen: Bridge other side | +  + | ${GIT_VERSION}
